# Altium PCB RX5808_TOP.PcbDoc
Units mm, origin at the board's own origin, x right, y up, seen from the top; angles counter-clockwise.
Board outline 34.01 x 28 mm, 2 copper layers (Top Layer, Bottom Layer); 58 components, 63 nets, 280 pads, 189 vias.
Unrouted connection lines stored in the file: 113.
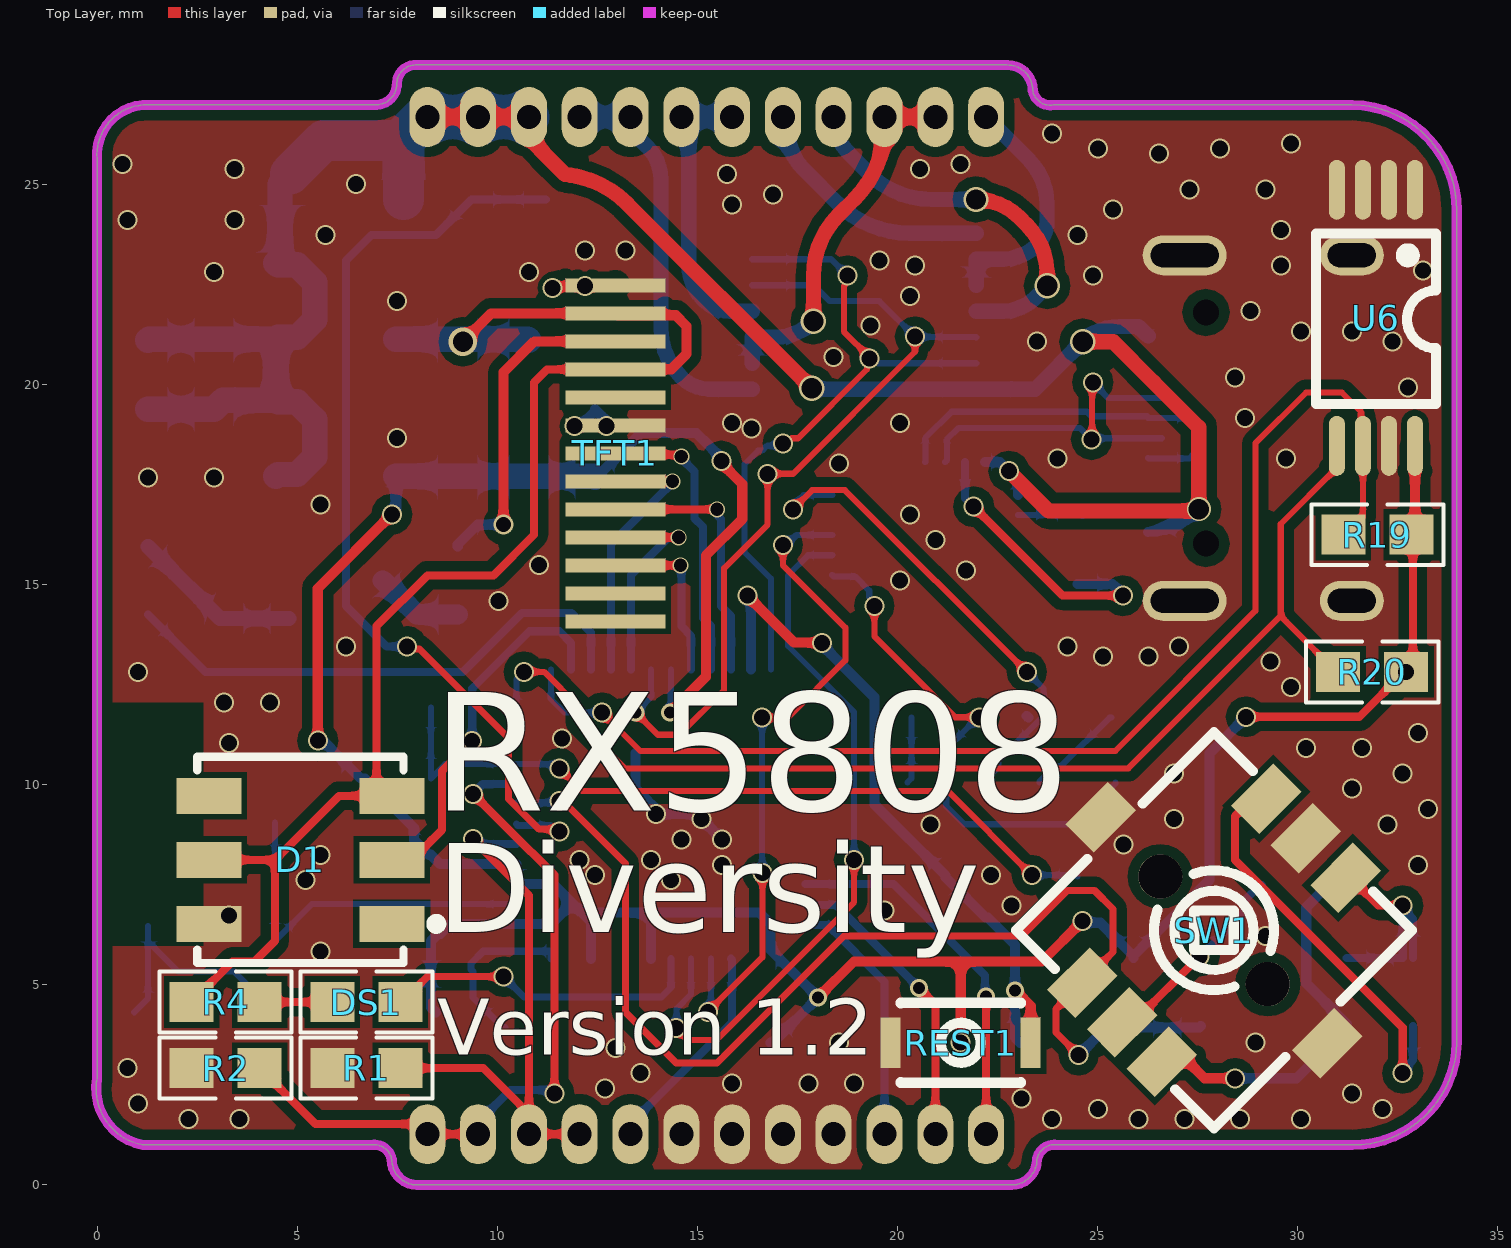
[diagram p0: Top Layer view]
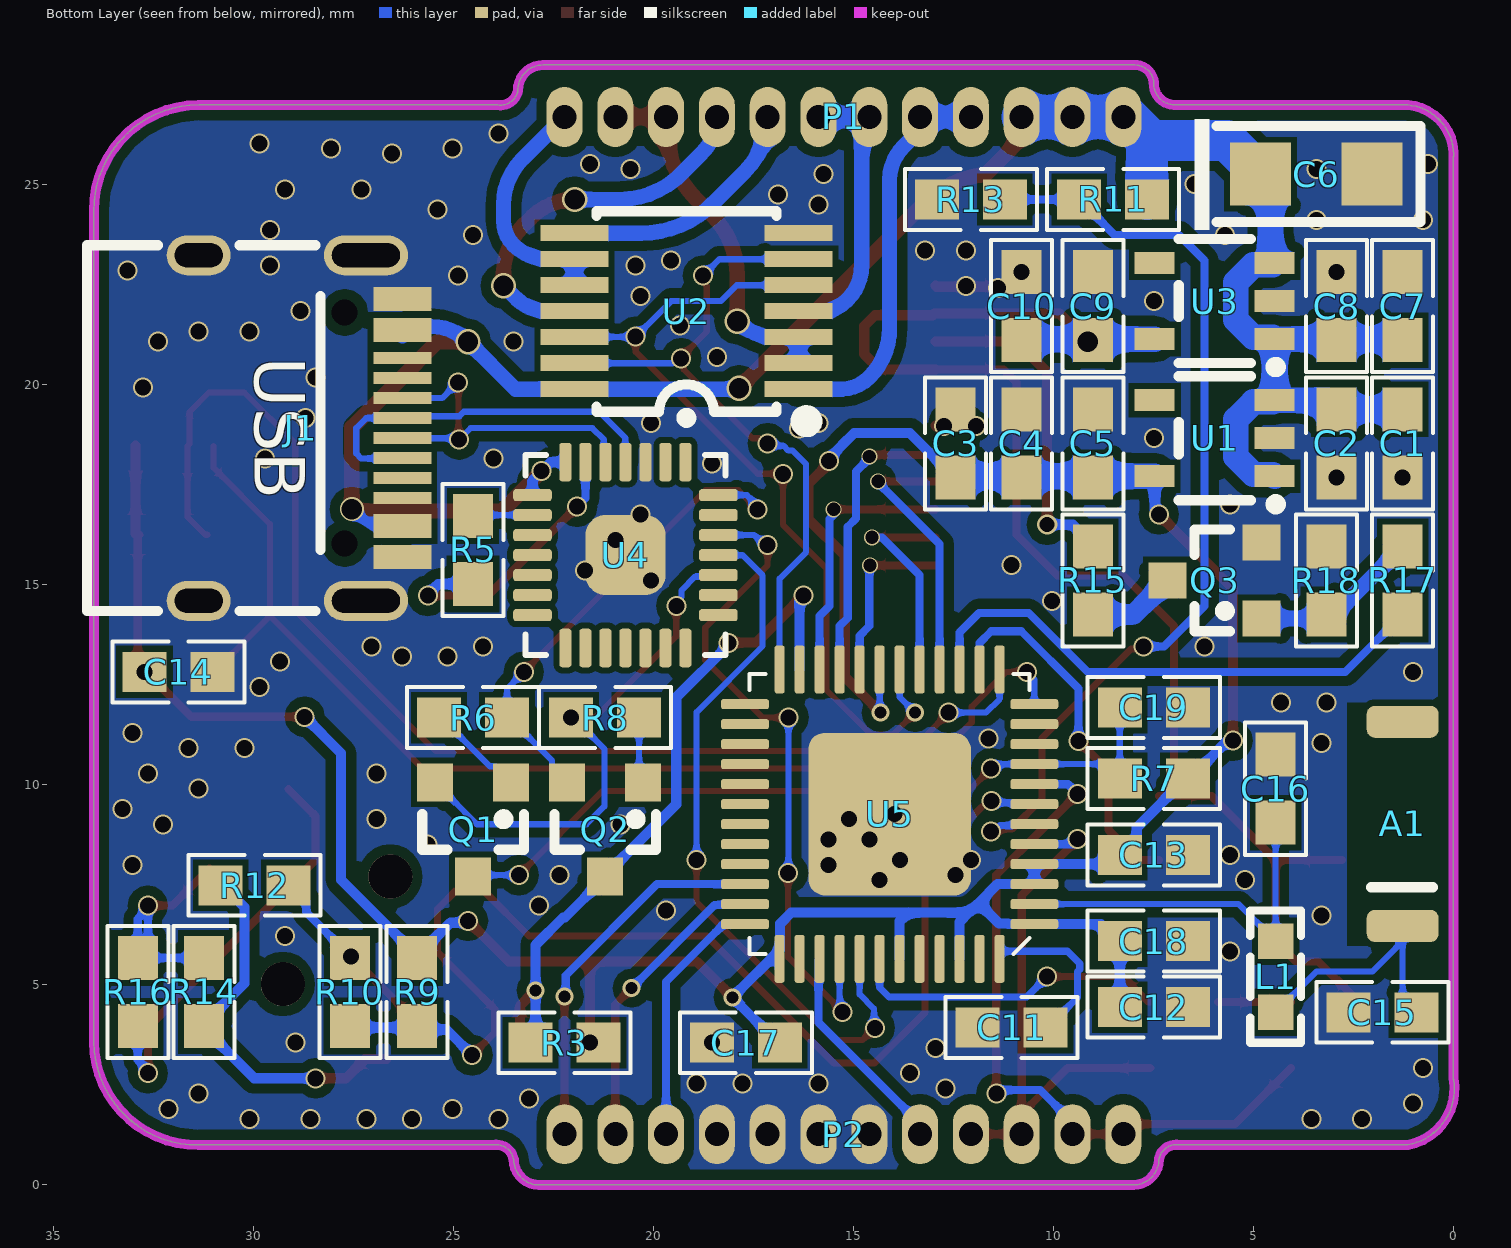
[diagram p1: Bottom Layer view, seen from below]

## Layer stack, top to bottom
Top Solder: solder mask 0.0102, Solder Resist, Dk 3.5
Top Layer: signal copper 0.0356
Dielectric 1: dielectric 0.32, FR-4, Dk 4.8
Bottom Layer: signal copper 0.0356
Bottom Solder: solder mask 0.0102, Solder Resist, Dk 3.5

## Board outline
1.143,1 cw(c1.405,2.405) 0,2.667 0,25.654 cw(c1.244,25.755) 1.143,27 6.985,27 ccw(c6.959,27.533) 7.493,27.559 cw(c7.967,27.525) 8.001,28 22.755,28 cw(c22.755,27.365) 23.39,27.365 ccw(c23.826,27.436) 23.898,27 31.369,27 cw(c31.361,24.37) 33.991,24.361 33.991,14.351 33.991,3.57 cw(c31.395,3.596) 31.369,1 24.003,1 ccw(c23.931,0.564) 23.495,0.635 cw(c22.86,0.635) 22.86,0 8.001,0 cw(c8.001,0.635) 7.366,0.635 ccw(c6.93,0.564) 6.858,1

## Design rules (kind name [scope] priority, off if disabled: settings)
Clearance [All] p1: gap=0.254 ignorepadtopadclearanceinfootprint=FALSE except(0: Arc-Hole Track-Hole SMDPad-Hole THPad-Hole Via-Hole Fill-Hole Poly-Hole Region-Hole Text-Hole; 0.152: Arc-SMDPad Track-SMDPad SMDPad-SMDPad SMDPad-Fill SMDPad-Poly SMDPad-Region)
ComponentClearance [All] p1: gap=0 collisioncheckmode=3 verticalgap=0 showdistances=FALSE
MinimumSolderMaskSliver [All] p1: minsoldermaskwidth=0.152
PolygonConnect [All] p1: connectstyle=Direct reliefconductorwidth=0.254 reliefentries=4 polygonreliefangle="90 Angle" airgapwidth=0.254
RoutingVias [All] p1: holewidth=0.711 width=1.27 viastyle="Through Hole" minholewidth=0.711 minwidth=1.27 maxholewidth=0.711 maxwidth=1.27
SilkToSolderMaskClearance [IsPad] p1: minsilkscreentomaskgap=0 clearancetoexposedcopper=TRUE
SolderMaskExpansion [All] p1: expansion=0.102
Width [All] p1: maxlimit=5.08 minlimit=0.152 preferedwidth=0.254
27 further rules are at their usual default settings.

## Components (designator, comment, footprint, x,y, rotation, side; value= is the part's Value field where it differs from the comment)
A1 "RAINSUN" ANT-Rainsun-AN5120 1.27,9.017 r90 bottom
C1 "Cap" 0603_CAP 1.27,18.542 r90 bottom value=100nF
C2 "Cap" 0603_CAP 2.921,18.542 r270 bottom value=100nF
C3 "Cap" 0603_CAP 12.446,18.542 r90 bottom value=100nF
C4 "Cap" 0603_CAP 10.795,18.542 r270 bottom value=100nF
C5 "Cap" 0603_CAP 9.017,18.542 r270 bottom value=100nF
C6 "Cap Pol" CAP-3216 3.429,25.273 r180 bottom value=100uF
C7 "Cap" 0603_CAP 1.27,21.971 r270 bottom value=100nF
C8 "Cap" 0603_CAP 2.921,21.971 r90 bottom value=100nF
C9 "Cap" 0603_CAP 9.017,21.971 r90 bottom value=100nF
C10 "Cap" 0603_CAP 10.795,21.971 r90 bottom value=100nF
C11 "Cap" 0603_CAP 11.049,3.937 r180 bottom value=10nF
C12 "Cap" 0603_CAP 7.493,4.445 r180 bottom value=100nF
C13 "Cap" 0603_CAP 7.493,8.255 r180 bottom value=100nF
C14 "Cap" 0603_CAP 31.877,12.827 r180 bottom value=100nF
C15 "Cap" 0603_CAP 1.778,4.318 r0 bottom value=1.2pf
C16 "Cap" 0603_CAP 4.445,9.906 r90 bottom value=1.5pf
C17 "Cap" 0603_CAP 17.692,3.556 r0 bottom value=100nF
C18 "Cap" 0603_CAP 7.493,6.096 r180 bottom value=100nF
C19 "Cap" 0603_CAP 7.493,11.938 r180 bottom value=100nF
D1 "LED" LED-SMD_6P-L5.0-W5.0-TL 5.079,8.128 r180 top
DS1 "LED" 0603_LED 6.731,4.572 r0 top
J1 "USB type C" "USB Type-C-16Pin_A" 31.369,18.923 r270 bottom locked
L1 "Inductor" "L 0603" 4.445,5.207 r90 bottom
P1 "Header 12" HDR1.27-1x12 22.225,26.7 r180 bottom
P2 "Header 12" HDR1.27-1x12 22.225,1.27 r180 bottom
Q1 "SS8050" SOT23A 24.511,9.017 r0 bottom
Q2 "SS8050" SOT23A 21.209,9.017 r0 bottom
Q3 "SS8050" SOT23A 5.842,15.113 r90 bottom
R1 "1M" 0603_RES 6.731,2.921 r180 top
R2 "1M" 0603_RES 3.214,2.921 r180 top
R3 "10K" 0603_RES 22.225,3.556 r180 bottom
R4 "1K" 0603_RES 3.214,4.572 r180 top
R5 "10K" 0603_RES 24.511,15.875 r270 bottom
R6 "12K" 0603_RES 24.511,11.684 r0 bottom
R7 "10K" 0603_RES 7.493,10.16 r180 bottom
R8 "12K" 0603_RES 21.209,11.684 r180 bottom
R9 "10K" 0603_RES 25.908,4.826 r270 bottom
R10 "10K" 0603_RES 27.591,4.826 r270 bottom
R11 "10K" 0603_RES 8.509,24.638 r180 bottom
R12 "10K" 0603_RES 29.972,7.493 r180 bottom
R13 "1K" 0603_RES 12.065,24.638 r180 bottom
R14 "10K" 0603_RES 31.242,4.826 r270 bottom
R15 "10" 0603_RES 9.017,15.113 r90 bottom
R16 "10K" 0603_RES 32.893,4.826 r90 bottom
R17 "1K" 0603_RES 1.27,15.113 r90 bottom
R18 "10K" 0603_RES 3.175,15.113 r90 bottom
R19 "10K" 0603_RES 32.004,16.256 r180 top
R20 "10K" 0603_RES 31.877,12.827 r180 top
REST1 "Jumper" SW-SMD_ST-1195 21.59,3.556 r180 top
SW1 "7*7*5-6P WX" SW-SMD_8P-L7.0-W7.0-P1.40-LS7.4-TL 27.922,6.367 r45 top
TFT1 "IPS0.96_80x160" IPS-0.96 12.573,18.291 r0 top locked
U1 "SPX5205" SOT-23-5_L3.0-W1.7-P0.95-LS2.8-TL 5.969,18.669 r0 bottom
U2 "SN74HC4066DBR" TSSOP-14_L5.0-W4.4-P0.65-LS6.4-BL 19.177,21.844 r90 bottom
U3 "SPX5205" SOT-23-5_L3.0-W1.7-P0.95-LS2.8-TL 5.969,22.098 r0 bottom
U4 "CP2102" QFN-28 20.701,15.748 r270 bottom value=Value
U5 "ESP32_SIP" QFN-48_7X7 14.097,9.271 r0 bottom locked
U6 "24C64" TSSOP-8_L4.4-W3.0-P0.65-LS6.4-BL-2 32.004,21.717 r270 top

## Footprints (in the part's own frame and the unit in brackets; to place one, negate y for a bottom-side part, rotate by r counter-clockwise, add the part's x,y. Pads: shape width x height; smd on the part's side, far side on the other; paste and mask are expansions set on the pad)
0603_CAP [mm]
  rect 1.1x1 smd: 1(-0.85,0) 2(0.85,0)
  silkscreen extent -1.65,-0.76 1.65,0.76, body extent -0.77,-0.4 0.83,0.41, height 0.88
0603_LED [mm]
  rect 1.1x1 smd: 1(-0.85,0) 2(0.85,0)
  silkscreen extent -1.65,-0.76 1.65,0.76, body extent -0.8,-0.4 0.8,0.4, height 0.6
0603_RES [mm]
  rect 1.1x1 smd: 1(-0.85,0) 2(0.85,0)
  silkscreen extent -1.65,-0.76 1.65,0.76, body extent -0.8,-0.4 0.8,0.4, height 0.45
ANT-Rainsun-AN5120 [mm] "选择焊盘"
  rrect50% 0.8x1.8 smd: 1(-2.54,0) ""(2.563,0)
  silkscreen extent -1.57,-0.76 -1.57,0.79, body extent -2.57,-0.91 2.54,0.94, height 1.32
CAP-3216 [mil] "钽电容"
  rect 60x61.81 smd: 1(-55,0) 2(55,0)
  silkscreen extent -120,-55 102,54, body extent -67,-35 67,35, height 71
HDR1.27-1x12 [mm]
  oval 0.9x1.5 hole 0.6: 1(0,0) 2(1.27,0) 3(2.54,0) 4(3.81,0) 5(5.08,0) 6(6.35,0) 7(7.62,0) 8(8.89,0) 9(10.16,0) 10(11.43,0) 11(12.7,0) 12(13.97,0)
  body extent -0.63,-1.2 14.61,1.2, height 5
IPS-0.96 [mm] "Connector; FH12 Series; 20 Position; 0.5mm Spaced Bottom Contact"
  rect 2.5x0.35 smd: 1(0.381,-4.2) 2(0.381,-3.5) 3(0.381,-2.8) 4(0.381,-2.1) 5(0.381,-1.4) 6(0.381,-0.7) 7(0.381,0) 8(0.381,0.7) 9(0.381,1.4) 10(0.381,2.1) 11(0.381,2.8) 12(0.381,3.5) 13(0.381,4.2)
  body extent -12.19,-6.73 15.88,6.73, height 1.6
"L 0603" [mil] "小功率贴片电感"
  rect 35x35 smd: 1(-35,0) 2(35,0)
  silkscreen extent -65,-25 65,25, body extent -31,-16 31,16, height 31
LED-SMD_6P-L5.0-W5.0-TL [mm]
  rect 1.625x0.896 smd: 1(-2.287,1.6) 2(-2.287,0) 3(-2.287,-1.6) 4(2.287,-1.6) 5(2.287,0) 6(2.287,1.6)
  silkscreen extent -3.53,-2.58 2.58,2.58, body extent -2.7,-2.47 2.7,2.48, height 1.6
QFN-28 [mil]
  rrect50% 38x12 smd mask+5: 1(-91.5,59.05) 2(-91.5,39.37) 3(-91.5,19.68) 4(-91.5,0) 5(-91.5,-19.69) 6(-91.5,-39.37) 7(-91.5,-59.06) 15(91.5,-59.06) 16(91.5,-39.37) 17(91.5,-19.69) 18(91.5,0) 19(91.5,19.68) 20(91.5,39.37) 21(91.5,59.05)
  rrect50% 12x38 smd mask+5: 8(-59.05,-91.5) 9(-39.37,-91.5) 10(-19.68,-91.5) 11(0,-91.5) 12(19.69,-91.5) 13(39.37,-91.5) 14(59.06,-91.5) 22(59.06,91.5) 23(39.37,91.5) 24(19.69,91.5) 25(0,91.5) 26(-19.68,91.5) 27(-39.37,91.5) 28(-59.05,91.5)
  rrect50% 78.74x78.74 smd: 29(0,0)
  silkscreen extent -140,-98 99,99, body extent -99,-99 98,98, height 35
QFN-48_7X7 [mm]
  rrect20% 4.064x4.064 smd: 0(0,0)
  rrect50% 1.2x0.25 smd: 1(-3.616,2.75) 2(-3.616,2.25) 3(-3.616,1.75) 4(-3.616,1.25) 5(-3.616,0.75) 6(-3.616,0.25) 7(-3.616,-0.25) 8(-3.616,-0.75) 9(-3.616,-1.25) 10(-3.616,-1.75) 11(-3.616,-2.25) 12(-3.616,-2.75) 25(3.617,-2.75) 26(3.617,-2.25) 27(3.617,-1.75) 28(3.617,-1.25) 29(3.617,-0.75) 30(3.617,-0.25) 31(3.617,0.25) 32(3.617,0.75) 33(3.617,1.25) 34(3.617,1.75) 35(3.617,2.25) 36(3.617,2.75)
  rrect50% 0.25x1.2 smd: 13(-2.75,-3.616) 14(-2.25,-3.616) 15(-1.75,-3.616) 16(-1.25,-3.616) 17(-0.75,-3.616) 18(-0.25,-3.616) 19(0.25,-3.616) 20(0.75,-3.616) 21(1.25,-3.616) 22(1.75,-3.616) 23(2.25,-3.616) 24(2.75,-3.616) 37(2.75,3.617) 38(2.25,3.617) 39(1.75,3.617) 40(1.25,3.617) 41(0.75,3.617) 42(0.25,3.617) 43(-0.25,3.617) 44(-0.75,3.617) 45(-1.25,3.617) 46(-1.75,3.617) 47(-2.25,3.617) 48(-2.75,3.617)
  silkscreen extent -3.5,-3.5 3.5,3.5, body extent -3.5,-3.5 3.5,3.5, height 1
SOT23A [mm]
  rect 0.9x0.95 smd: 1(-0.95,-1.048) 2(0.95,-1.048) 3(0,1.302)
  silkscreen extent -1.27,-0.25 1.27,0.64, body extent -1.46,-1.12 1.46,1.35, height 1
SOT-23-5_L3.0-W1.7-P0.95-LS2.8-TL [mm]
  rect 1x0.55 smd: 1(-1.5,0.95) 2(-1.5,0) 3(-1.5,-0.95) 4(1.5,-0.95) 5(1.5,0.95)
  silkscreen extent -1.65,-1.55 0.9,1.78, body extent -1.4,-1.5 1.4,1.5, height 1.15
SW-SMD_8P-L7.0-W7.0-P1.40-LS7.4-TL [mm]
  rect 1.5x1 smd: 1(-3.25,1.4) 2(-3.25,0) 3(-3.25,-1.4) 4(3.25,-1.4) 5(3.25,0) 6(3.25,1.4) 7(0,4) 8(0,-4)
  round 1.1 hole 1.1 unplated: ""(0,1.9) ""(0,-1.9)
  silkscreen extent -3.5,-3.5 3.5,3.5, body extent -3.75,-4.1 3.75,4.1, height 5.9
SW-SMD_ST-1195 [mm]
  rect 0.5x1.27 smd: 1(-1.75,0) 2(1.75,0)
  silkscreen extent -1.5,-1 1.5,1, body extent -1.75,-0.98 1.75,1.02, height 0.46
TSSOP-8_L4.4-W3.0-P0.65-LS6.4-BL-2 [mm]
  oval 1.5x0.4 smd: 1(-3.163,0.942) 2(-3.163,0.292) 3(-3.163,-0.358) 4(-3.163,-1.008) 5(3.238,-1.008) 6(3.238,-0.358) 7(3.238,0.292) 8(3.238,0.942)
  silkscreen extent -2.07,-1.53 2.2,1.47, body extent -3.2,-1.5 3.2,1.5, height 1.2
TSSOP-14_L5.0-W4.4-P0.65-LS6.4-BL [mm]
  rect 0.4x1.7 smd: 1(-1.95,-2.8) 2(-1.3,-2.8) 3(-0.65,-2.8) 4(0,-2.8) 5(0.65,-2.8) 6(1.3,-2.8) 7(1.95,-2.8) 8(1.95,2.8) 9(1.3,2.8) 10(0.65,2.8) 11(0,2.8) 12(-0.65,2.8) 13(-1.3,2.8) 14(-1.95,2.8)
  silkscreen extent -2.95,-3.2 2.5,2.25, body extent -2.5,-3.2 2.5,3.2, height 1.03
"USB Type-C-16Pin_A" [mm]
  round 0 hole 0.65: 0(-2.89,3.65) 0(2.89,3.65)
  oval 1x1.6 hole 0.6 slot 1.2 at 90 deg: 1(-4.32,0) 1(4.32,0)
  oval 1x2.1 hole 0.6 slot 1.7 at 90 deg: 1(-4.32,4.18) 1(4.32,4.18)
  rect 0.3x1.45 smd: A1(-3.375,5.092) A4(-2.6,5.092) A5(-1.25,5.092) A6(-0.25,5.092) A7(0.25,5.092) A8(-1.75,5.092) A9(2.6,5.1) A12(3.375,5.1) B1(3.075,5.1) B4(2.3,5.1) B5(1.75,5.092) B6(0.75,5.092) B7(-0.75,5.092) B8(1.25,5.092) B9(-2.3,5.092) B12(-3.075,5.092)
  silkscreen extent -4.57,-2.79 4.57,3.05, body extent -4.47,-2.6 4.47,5.3, height 3.25

## Part data
A1: library part ANT-Rainsun-AP5120
C1 C2 C3 C4 C5 C7 C8 C9 C10 C11 C12 C13 C14 C15 C16 C17 C18 C19: "无极性电容", LatestRevisionDate=17-Jul-2002, LatestRevisionNote="Re-released for DXP Platform.", PackageReference=RAD-0.3, Published=8-Jun-2000, Publisher="Altium Limited"
C6: "极性电解电容", LatestRevisionDate=17-Jul-2002, LatestRevisionNote="Re-released for DXP Platform.", PackageReference=RB7.6-15, Published=8-Jun-2000, Publisher="Altium Limited", Vol=16V
D1: library part WS2812
J1: library part Type-C, "TYPEC接口-16PIN"
L1: library part Inductance, "电感"
P1 P2: "Header, 12-Pin", LatestRevisionDate=17-Jul-2002, LatestRevisionNote="Re-released for DXP Platform.", Publisher="Altium Limited"
Q1 Q2 Q3: "NPN三极管"
R1 R2 R3 R4 R5 R6 R7 R8 R9 R10 R11 R12 R13 R14 R15 R16 R17 R18 R19 R20: library part RES, "电阻"
REST1: "按键", LatestRevisionDate=17-Jul-2002, LatestRevisionNote="Re-released for DXP Platform.", PackageReference=RAD-0.2, Published=24-Mar-1999, Publisher="Altium Limited"
SW1: "五向按键", BOM_JLCPCB Part Class="Extended Part", BOM_Manufacturer="SHOU HAN(首韩)", BOM_Manufacturer Part="7*7*5-6P WX", BOM_Supplier=LCSC, BOM_Supplier Part=C2858286, Contributor=LCSC, spicePre=S, spiceSymbolName="7*7*5-6P WX"
TFT1: "IPS-135x240", BOM名称=1.44寸TFT屏, 学习资源=www.ooocke.com, 版权归属=源创客
U1 U3: "LDO稳压"
U2: BOM_JLCPCB Part Class="Extended Part", BOM_Manufacturer=TI, BOM_Manufacturer Part=SN74HC4066DBR, BOM_Supplier=LCSC, BOM_Supplier Part=C6849, spicePre=X, spiceSymbolName=SN74HC4066DBR
U4: "USBתTTL", MFG #1="SILICON LABS", PART DESC="SINGLE-CHIP USB TO UART BRIDGE, QFN28, RoHS.", PART NUMBER=CP2102, RefDes=RefDes, Type=DEV
U5: library part ESP32-PICO
U6: library part 24C02, "E2PROM"

## Via types
v1: diameter 0.5, hole 0.4, Top Layer to Bottom Layer, tented both sides, 170 vias
v2: diameter 0.45, hole 0.3, Top Layer to Bottom Layer, tented both sides, 6 vias
v3: diameter 0.635, hole 0.508, Top Layer to Bottom Layer, tented both sides, 5 vias
v4: diameter 0.4, hole 0.33, Top Layer to Bottom Layer, tented both sides, 5 vias
v5: diameter 0.6, hole 0.508, Top Layer to Bottom Layer, tented both sides, 1 vias
v6: diameter 0.508, hole 0.381, Top Layer to Bottom Layer, tented both sides, 1 vias
v7: diameter 0.711, hole 0.506, Top Layer to Bottom Layer, tented both sides, 1 vias

## Nets (pads, with @x,y where several pads share a name; then routed paths per layer and width w, separated by ;. In a path a pad name is that pad's centre, name@x,y a point inside that pad or via, vN(x,y) a via of type N, cw(c..) or ccw(c..) an arc to the next point about the centre after c; other vN are vias at no path point)
3V3_LCD: C9.1 C10.1 D1.3 D1.5 R4.2 TFT1.10 TFT1.12 U3.5 | length 37.2
  Top Layer w0.203: R4.2 3.38,5.588 3.937,5.588 4.445,6.096 4.445,8.128 ; D1.5 4.445,8.128 ; TFT1.10 11.247,20.391 10.922,20.066 10.922,16.256 9.906,15.24 8.255,15.24 6.985,13.97 6.985,10.074 7.331,9.728 D1.3 6.045,9.728 4.445,8.128
  Top Layer w0.254: v7(9.144,21.082) 9.853,21.791 TFT1.12 ; TFT1.10 14.351,20.391 14.732,20.772 14.732,21.475 14.464,21.743 13.02,21.743 TFT1.12@12.972,21.791
  Bottom Layer w0.635: U3.5 10.768,21.148 C10.1
3V3_MCU: C3.1 C4.2 C5.2 C12.1 C13.1 C14.1 C17.1 C18.1 R3.2 R7.2 R9.1 R19.1 R20.1 U1.5 U5.1 U5.3 U5.4 U5.19 U5.37 U5.43 U5.46 U6.8 | length 78.9
  Top Layer w0.203: v1(28.722,11.704) 31.554,11.704 32.677,12.827 v1(32.727,12.827) 32.893,12.993 32.893,16.217 R19.1
  Top Layer w0.254: v1(5.516,11.109) 5.516,14.914 v1(7.366,16.764) ; v2(14.323,11.811) 15.219,12.707 15.219,15.736 16.129,16.647 16.129,17.526 15.609,18.046 v1(15.609,18.099) ; v2@18.025,4.687 v2(18.023,4.689) 18.922,5.588 21.59,5.588 ; v1(21.59,3.556) 21.59,5.588 ; v1(24.638,6.604) 23.622,5.588 21.59,5.588 ; R19.1@32.946,16.27 U6.8
  Bottom Layer w0.152: v2(14.323,11.811) 14.347,11.835 U5.19
  Bottom Layer w0.254: v1(5.516,11.109) 5.563,11.062 5.691,11.062 6.593,10.16 R7.2 6.693,10.16 7.92,8.933 7.92,8.628 8.293,8.255 C13.1 8.577,8.021 U5.4 U5.3 11.402,7.521 11.874,7.048 ; v1@7.469,16.934 U1.5 ; C12.1@8.47,4.318 C12.1 C18.1 8.53,6.283 8.58,6.283 8.818,6.521 U5.1 ; U5.1 11.132,6.523 11.143,6.534 11.36,6.534 11.874,7.048 ; U5.46 12.347,6.576 12.111,6.812 ; C3.1 12.485,17.692 13.589,18.796 14.986,18.796 15.29,18.492 15.29,18.485 15.609,18.166 v1(15.609,18.099) ; U5.43 13.847,6.6 13.635,6.812 ; C17.1 16.892,3.556 v2(18.023,4.689) v2(18.023,4.689) 16.834,5.878 16.834,6.534 16.556,6.812 13.635,6.812 ; v1(24.638,6.604) 24.685,6.557 25.077,6.557 R9.1@25.908,5.726 ; R9.1 R9.1@25.908,5.726 ; v1(28.722,11.704) 27.813,10.795 27.813,7.629 26.283,6.099 26.281,6.099 R9.1@25.908,5.726 ; 11.874,7.048 12.111,6.812 ; 12.111,6.812 13.635,6.812
  Bottom Layer w0.635: U1.5 12.419,17.719 C3.1
5V: C1.2 C2.1 C6.1 C7.2 C8.1 J1.A4 J1.A9 J1.B4 J1.B9 P1.10 P1.11 P1.12 R11.2 U1.1 U1.3 U2.14 U3.1 U3.3 U4.7 U4.8 | length 61.1
  Top Layer w0.381: P1.12 P1.11 P1.10 ccw(c12.094,26.7) 11.175,25.782 11.695,25.262 cw(c11.457,22.733) 11.975,25.22 cw(c11.457,22.733) 12.063,25.2 cw(c11.457,22.733) 13.253,24.529 v3(17.862,19.921) ; v1(22.797,17.843) 23.788,16.852 v5@27.44,16.852 ; v3(24.638,21.082) 25.4,21.082 26.416,20.066 27.541,18.941 v5(27.541,16.894)
  Bottom Layer w0.254: U4.7 22.568,18.072 23.025,17.615 U4.8 ; J1.A9 ccw(c26.269,18.015) 27.466,16.819 v5(27.541,16.894)
  Bottom Layer w0.381: v3(17.862,19.921) 17.889,19.894 U2.14 23.45,19.894 v3(24.638,21.082) cw(c25.558,20.162) 25.558,21.463 26.037,21.463 J1.B9
  Bottom Layer w0.635: C1.2 C2.1 3.148,19.619 U1.3 ; C7.2 1.297,21.148 U3.1 ; U1.1 4.512,17.761 5.001,17.761 5.439,18.199 5.439,19.139 5.001,19.576 4.512,19.576 U1.3 ; U3.3 4.512,23.005 5.001,23.005 5.439,22.568 5.439,21.628 5.001,21.19 4.512,21.19 U3.1 ; U3.3@4.572,23.09 4.572,25.019 C6.1 ; U1.3 U3.1
  Bottom Layer w1.016: C6.1 5.664,26.111 7.55,26.111 8.139,26.7 P1.12 ; R11.2 7.659,26.104 P1.12 ; P1.10 P1.11 P1.12
ADC_BAT: R11.1 R13.2 U5.6 | length 24
  Top Layer w0.178: v1(7.747,13.462) 7.808,13.401 8.062,13.401 8.125,13.338 10.287,11.176 10.287,9.652 11.044,8.895 11.509,8.895 v1(11.561,8.843)
  Bottom Layer w0.178: U5.6 10.517,8.985 11.332,8.985 11.474,8.843 v1(11.561,8.843)
  Bottom Layer w0.203: v1(7.747,13.462) 7.239,13.462 6.223,14.478 6.223,23.114 6.858,23.749 8.47,23.749 R11.1 R13.2
ADC_KEY: R9.2 R10.2 SW1.1 U5.7 | length 29.7
  Top Layer w0.178: v1@11.492,9.658 v1(11.554,9.597) 11.641,9.597 11.802,9.436 11.807,9.436 13.208,8.034 13.208,4.318 14.478,3.048 15.494,3.048 18.669,6.223 23.114,6.223 24.257,7.366 24.929,7.366 25.4,6.895 25.4,5.825 SW1.1 23.968,4.393 23.968,3.815 v1(24.537,3.246)
  Bottom Layer w0.178: U5.7 10.517,9.557 11.514,9.557 v1(11.554,9.597)
  Bottom Layer w0.254: v1(24.537,3.246) 25.176,3.886 25.857,3.886 25.908,3.937 27.552,3.937 R10.2
ADC_RSSI0: P2.9 P2.10 R1.1 U5.5 | length 14.1
  Top Layer w0.203: R1.1 9.652,2.921 10.568,2.005 10.568,1.985 10.776,1.778 P2.10@10.795,1.778 ; v1(9.398,8.652) 9.398,8.636 10.795,7.239 P2.10@10.795,1.778 ; P2.9 P2.10 P2.10@10.795,1.778
  Bottom Layer w0.203: v1(9.398,8.652) 9.478,8.652 9.609,8.521 U5.5
ADC_RSSI1: P2.11 P2.12 R2.1 U5.8 | length 18.2
  Top Layer w0.203: R2.1 5.461,1.524 8.001,1.524 P2.12 P2.11 ; v1(9.398,9.779) 10.287,8.89 11.43,7.747 v1(11.43,2.286)
  Bottom Layer w0.203: v1(9.398,9.779) 9.64,10.021 U5.8 ; P2.11 9.525,1.57 10.331,2.376 11.26,2.376 11.35,2.286 v1(11.43,2.286)
AUDIO: P1.1 U2.9 U2.10 | length 6.1
  Bottom Layer w0.381: U2.10 U2.9 22.647,23.144 ccw(c22.647,24.343) 23.495,23.495 ccw(c22.882,24.108) 23.749,24.108 23.749,24.511 ccw(c22.144,24.511) 23.279,25.646 22.766,26.159 P1.1
AUDIO0: P1.5 U2.8 | length 6.3
  Bottom Layer w0.381: P1.5 ccw(c19.057,26.7) 17.24,26.104 ccw(c19.057,26.7) 17.705,25.348 18.515,24.538 ccw(c20.311,26.334) 20.311,23.794 U2.8
AUDIO1: P1.4 U2.11 | length 9.7
  Top Layer w0.381: v3(21.971,24.638) cw(c21.971,23.105) 23.055,24.189 23.241,24.003 cw(c22.015,22.777) 23.747,22.862 cw(c22.015,22.777) 23.749,22.777 v3(23.749,22.479)
  Bottom Layer w0.381: P1.4 ccw(c19.683,26.7) 18.556,26.118 ccw(c19.683,26.7) 18.637,25.983 ccw(c19.683,26.7) 18.786,25.804 19.437,25.153 ccw(c20.859,26.86) 20.859,24.638 v3(21.971,24.638) ; U2.11 22.665,21.844 ccw(c22.665,22.928) 23.431,22.161 v3(23.749,22.479)
BEEP: P2.8 U5.39 | length 5.4
  Bottom Layer w0.203: P2.8 13.335,1.524 15.875,4.064 15.875,5.082 15.87,5.086 15.87,5.631 U5.39
CP_RX: U4.25 U5.41 | length 18.1
  Top Layer w0.152: v1(14.466,3.93) 14.777,3.619 15.473,3.619 18.923,7.07 v1(18.923,8.128)
  Bottom Layer w0.152: v1(14.466,3.93) 14.488,3.952 14.488,4.409 14.847,4.768 U5.41 ; U4.25 18.371,15.742 17.774,15.742 17.272,15.24 17.272,13.474 18.923,11.823 v1(18.923,8.128)
CP_TX: U4.26 U5.40 | length 16.8
  Top Layer w0.152: v1(15.269,4.33) 16.633,5.694 v1(16.633,7.797) ; v1(16.619,11.687) 16.622,11.684 17.272,11.684 18.707,13.119 18.707,13.932 17.145,15.494 v1(17.145,16.002)
  Bottom Layer w0.152: v1(15.269,4.33) 15.269,4.425 15.347,4.502 U5.40 ; v1(16.619,11.687) 16.626,11.68 16.626,7.804 v1(16.633,7.797) ; v1(17.145,16.002) 17.239,16.002 17.485,16.248 U4.26
D+: J1.A6 J1.B6 U4.4 | length 9.6
  Bottom Layer w0.152: U4.4 20.707,18.078 20.707,18.675 21.361,19.329 24.743,19.329 24.855,19.217 J1.A6@26.251,19.217 ; J1.B6 26.289,18.161 27.305,18.161 27.432,18.288 27.432,18.923 27.182,19.173 J1.A6
D-: J1.A7 J1.B7 U4.5 | length 9.5
  Top Layer w0.152: v1(24.86,18.637) 24.876,18.653 24.876,20.05 v1(24.892,20.066)
  Bottom Layer w0.152: U4.5 21.244,18.115 21.244,18.638 21.53,18.923 24.574,18.923 v1(24.86,18.637) 24.892,18.669 J1.A7@26.615,18.669 ; v1(24.892,20.066) 25.284,19.673 J1.B7@26.619,19.673
DTR: Q2.2 R6.1 U4.28 | length 12.8
  Top Layer w0.152: v1(17.394,16.892) 17.876,17.374 18.694,17.374 v1(23.241,12.827)
  Bottom Layer w0.152: v1(17.394,16.892) 17.394,16.977 17.666,17.248 U4.28 ; Q2.2 22.533,10.439 22.533,10.606 23.611,11.684 R6.1 23.661,12.407 v1(23.241,12.827) ; R6.1@23.27,11.684 R6.1@23.28,11.684
  Bottom Layer w0.254: R6.1@23.241,11.723 R6.1@23.28,11.684
EN: C19.1 Q1.3 R7.1 U5.9 | length 19.3
  Top Layer w0.152: v1(11.557,10.414) 12.12,9.851 21.264,9.851 v1(23.368,7.747)
  Bottom Layer w0.152: C19.1 R7.1 8.704,10.521 U5.9 11.45,10.521 v1(11.557,10.414) ; v1(23.368,7.747) 24.479,7.747 Q1.3
FLASH_CLK: U5.31
FLASH_CS: U5.25
FLASH_SD0: U5.27
FLASH_SD1: U5.33
FLASH_SD2: U5.30
FLASH_SD3: U5.32
GND: C1.1 C2.2 C3.2 C4.1 C5.1 C6.2 C7.1 C8.2 C9.2 C10.2 C11.1 C12.2 C13.2 C14.2 C15.2 C16.2 C17.2 C18.2 C19.2 D1.6 J1.1 J1.A1 J1.A12 J1.B1 J1.B12 P2.4 P2.5 P2.6 P2.7 Q3.2 R1.2 R2.2 R13.1 R18.2 REST1.2 SW1.5 SW1.7 SW1.8 TFT1.8 TFT1.13 U1.2 U2.7 U3.2 U4.3 U4.29 U5.0 U6.1 U6.2 U6.3 U6.4 U6.7 | length 7.6
  Top Layer w0.254: v1(11.387,22.422) 11.422,22.456 12.919,22.456 TFT1.13 ; v1(11.938,18.97) 12.933,18.97 TFT1.8
  Bottom Layer w0.254: v1(11.938,18.97) 12.073,18.97 12.446,19.343 C3.2 12.738,19.1 v1(12.738,18.97) ; U5.0@13.462,10.795 13.462,9.906 U5.0 ; v1(13.97,9.271) U5.0 ; v1(15.621,8.636) 14.986,9.271 U5.0 ; v1(18.542,3.556) C17.2@18.605,3.556
  other v1: 2.286,1.651 3.556,1.651 23.876,1.651 26.035,1.651 27.178,1.651 28.575,1.651 30.099,1.651 25.019,1.905 32.131,1.905 1.016,2.032 23.114,2.159 31.369,2.286 12.7,2.413 15.875,2.54 17.78,2.54 18.923,2.54 13.589,2.794 0.762,2.921 12.954,3.429 28.956,3.556 5.588,5.842 29.21,6.223 3.302,6.731 19.685,6.858 22.86,6.985 5.207,7.62 14.351,7.62 12.446,7.747 22.352,7.747 15.621,8.001 33.02,8.001 12.065,8.128 13.843,8.128 5.588,8.255 25.654,8.509 14.605,8.636 20.828,9.017 32.258,9.017 15.113,9.144 26.924,9.144 33.274,9.398 31.369,9.906 26.924,10.287 32.639,10.287 30.226,10.922 31.623,10.922 3.302,11.049 11.624,11.165 33.02,11.303 3.175,12.065 4.318,12.065 29.845,12.446 1.016,12.827 29.337,13.081 25.146,13.208 26.289,13.208 6.223,13.462 24.257,13.462 27.051,13.462 10.033,14.605 20.066,15.113 21.717,15.367 11.049,15.494 20.955,16.129 20.32,16.764 5.588,17.018 1.27,17.692 2.921,17.692 18.542,18.034 24.003,18.161 29.718,18.161 7.493,18.669 16.364,18.918 15.875,19.05 20.068,19.048 28.702,19.177 32.766,19.939 28.448,20.193 18.415,20.701 23.495,21.082 32.385,21.082 30.099,21.336 31.369,21.336 19.333,21.492 28.829,21.844 7.493,22.098 20.32,22.225 12.192,22.479 24.892,22.733 2.921,22.821 10.795,22.821 33.147,22.86 20.447,22.987 29.591,22.987 19.558,23.114 12.192,23.368 13.208,23.368 5.715,23.749 24.511,23.749 29.591,23.876 0.762,24.13 3.429,24.13 25.4,24.384 15.875,24.511 16.891,24.765 27.305,24.892 29.21,24.892 6.477,25.019 15.748,25.273 3.429,25.4 20.574,25.4 0.635,25.527 21.59,25.527 26.543,25.781 25.019,25.908 28.067,25.908 29.845,26.035 23.876,26.289
GPIO0: Q2.3 R3.1 REST1.1 U5.23 | length 17.8
  Top Layer w0.254: v1(16.256,14.732) 17.429,13.559 18.123,13.559 v1(18.127,13.555) ; v2(22.947,4.866) 23.34,4.473 REST1.1
  Bottom Layer w0.254: v1(16.256,14.732) 16.256,14.665 16.347,14.574 U5.23 ; v1(18.127,13.555) 18.127,13.496 19.431,12.192 19.431,9.518 21.209,7.74 21.209,7.69 22.214,6.685 22.264,6.685 22.947,6.002 v2(22.947,4.866) 22.947,3.684 R3.1
GPIO2: TFT1.5 U5.22 | length 6.7
  Top Layer w0.203: TFT1.5 12.955,16.892 12.956,16.891 v4(15.494,16.891)
  Bottom Layer w0.203: v4(15.494,16.891) 15.494,16.752 15.6,16.646 15.6,14.471 15.847,14.224 U5.22
GPIO9: U5.28
GPIO10: U5.29
GPIO13: TFT1.3 U5.20 | length 4.3
  Top Layer w0.203: TFT1.3 v4(14.587,15.491)
  Bottom Layer w0.203: v4(14.587,15.491) 14.605,15.473 14.605,13.97 14.847,13.728 U5.20
GPIO14: TFT1.4 U5.17 | length 5.5
  Top Layer w0.203: TFT1.4 v4(14.54,16.191)
  Bottom Layer w0.203: U5.17 13.347,15.252 14.286,16.191 v4(14.54,16.191)
GPIO15: TFT1.7 U5.21 | length 7.3
  Top Layer w0.203: TFT1.7 12.992,18.253 14.567,18.253 v4(14.605,18.215)
  Bottom Layer w0.203: v4(14.605,18.215) 14.605,18.168 14.938,17.835 14.938,16.661 15.143,16.457 15.143,14.174 15.347,13.97 U5.21
GPIO26: R17.1 U5.15 | length 13.4
  Bottom Layer w0.203: R17.1 2.706,12.827 9.144,12.827 10.617,14.3 11.862,14.3 12.347,13.815 U5.15
GPIO27: TFT1.6 U5.16 | length 6.8
  Top Layer w0.203: TFT1.6 v4(14.383,17.591)
  Bottom Layer w0.203: U5.16 12.847,16.025 14.383,17.561 v4(14.383,17.591)
GPIO32: R20.2 U5.12 U6.5 | length 29.5
  Top Layer w0.152: v1(10.668,12.827) 11.176,12.827 12.043,11.96 12.043,11.567 12.383,11.227 13.195,10.414 25.781,10.414 29.58,14.213 29.591,14.213 ; U6.5 30.996,17.929 29.591,16.524 29.591,14.213 ; R20.2 30.977,12.827 29.591,14.213
  Bottom Layer w0.152: U5.12 10.48,12.639 v1(10.668,12.827)
GPIO33: R19.2 U5.13 U6.6 | length 31.2
  Top Layer w0.152: v1(12.623,11.807) 13.581,10.849 25.454,10.849 28.956,14.351 28.956,18.542 30.226,19.812 31.115,19.812 31.598,19.329 31.598,18.526 U6.6 31.646,16.698 31.204,16.256 R19.2
  Bottom Layer w0.152: U5.13 11.347,12.148 11.688,11.807 v1(12.623,11.807)
GPIO34: U5.10
GPIO35: U5.11
K1: R10.1 R12.2 SW1.2 | length 5.1
  Top Layer w0.203: SW1.2 25.913,4.069 v1(27.559,5.715)
  Bottom Layer w0.203: R10.1 27.591,5.683 v1(27.559,5.715) 27.58,5.715 28.674,6.809 28.674,7.095 29.072,7.493 R12.2
K2: R12.1 R14.2 SW1.3 | length 9.5
  Top Layer w0.254: SW1.3@26.68,3.146 27.207,3.146 27.686,2.667 v1(28.448,2.667)
  Bottom Layer w0.254: v1(28.448,2.667) 29.983,2.667 31.242,3.926 31.242,4.026 30.226,5.042 30.226,6.947 30.772,7.493 R12.1
K3: R14.1 R16.2 SW1.4 | length 6
  Top Layer w0.203: SW1.4@31.101,7.912 32.028,6.985 v1(32.639,6.985)
  Bottom Layer w0.203: R14.1 32.639,5.676 v1@32.639,6.905 ; v1(32.639,6.985) v1@32.639,6.905 ; R16.2 32.893,6.651 v1@32.639,6.905
K4: R16.1 SW1.6 | length 10.4
  Top Layer w0.203: SW1.6@29.121,9.892 28.448,9.219 28.448,8.128 32.639,3.937 v1(32.639,2.794)
  Bottom Layer w0.203: v1(32.639,2.794) 32.639,2.867 32.893,3.121 R16.1
LED0: DS1.2 U5.42 | length 8.1
  Top Layer w0.178: DS1.2 7.631,4.572 8.042,4.983 8.042,4.996 8.253,5.207 v1(10.16,5.207)
  Bottom Layer w0.178: v1(10.16,5.207) 10.668,4.699 14.112,4.699 14.347,4.934 U5.42
LED_STRIP: D1.2 U5.14 | length 9.3
  Top Layer w0.203: D1.2 7.875,8.128 8.626,8.879 8.626,10.35 v1(9.377,11.101)
  Bottom Layer w0.203: v1(9.377,11.101) 9.377,12.413 10.807,13.843 11.557,13.843 11.847,13.553 U5.14
NetA1_1: A1.1 C15.1 L1.1 | length 6.2
  Bottom Layer w0.152: C15.1 1.27,4.66 A1.1@1.27,6.096 ; A1.1 A1.1@1.27,6.096 ; L1.1 3.429,5.334 2.032,5.334 A1.1@1.27,6.096
NetC11_2: C11.2 U5.48 | length 4.3
  Bottom Layer w0.178: C11.2 10.149,3.937 9.398,4.688 9.398,5.334 9.345,5.387 9.345,5.535 9.652,5.842 11.311,5.842 11.347,5.806 U5.48
NetC16_1: C16.1 L1.2 U5.2 | length 9.4
  Bottom Layer w0.152: C16.1 L1.2 5.37,7.021 U5.2
NetDS1_1: DS1.1 R4.1 | length 1.8
  Top Layer w0.203: R4.1 DS1.1
NetQ1_1: Q1.1 R6.2 | length 2.5
  Bottom Layer w0.152: Q1.1 23.561,10.09 23.935,10.464 24.091,10.464 25.311,11.684 R6.2
NetQ2_1: Q2.1 R8.2 | length 1.7
  Bottom Layer w0.152: Q2.1 20.359,10.165 R8.2
NetQ3_1: Q3.1 R17.2 R18.1 | length 4.3
  Bottom Layer w0.381: R17.2 3.07,14.163 Q3.1
NetQ3_3: Q3.3 R15.1 | length 2.2
  Bottom Layer w0.508: Q3.3 7.994,14.263 R15.1
NetR5_1: R5.1 U4.9 | length 1.6
  Bottom Layer w0.152: U4.9 24.615,16.748 R5.1@24.638,16.725
NetR15_2: R15.2 TFT1.11 | length 8.3
  Top Layer w0.254: v6(10.16,16.51) 10.16,20.32 10.931,21.091 TFT1.11
  Bottom Layer w0.254: R15.2 9.017,16.013 9.514,16.51 v6(10.16,16.51)
RTS: Q1.2 R8.1 U4.24 | length 13.2
  Top Layer w0.152: v1(19.431,14.478) 19.431,13.716 21.453,11.694 22.049,11.694 v1(22.059,11.684)
  Bottom Layer w0.152: U4.24 18.412,15.213 18.95,15.213 19.304,14.859 19.304,14.699 19.431,14.572 v1(19.431,14.478) ; v1(22.059,11.684) 22.009,11.684 21.228,10.903 21.228,9.468 21.679,9.017 24.413,9.017 25.062,9.666 25.087,9.666 25.461,10.04 Q1.2
SPI2_CS: P2.1 U5.34 | length 9.4
  Top Layer w0.203: P2.1 v2(22.225,4.708)
  Bottom Layer w0.203: U5.34 19.911,7.521 22.194,5.238 22.194,4.74 v2(22.225,4.708)
SPI2_MOSI: P2.3 U5.36 | length 6.4
  Bottom Layer w0.203: U5.36 17.737,6.498 18.267,6.498 19.685,5.08 P2.3
SPI2_SCK: P2.2 U5.35 | length 7.5
  Top Layer w0.203: v2(20.544,4.923) 20.955,4.513 P2.2
  Bottom Layer w0.203: U5.35 17.737,6.998 18.47,6.998 v2(20.544,4.923)
VCC_3V3: R5.2 U4.6 | length 7.1
  Top Layer w0.203: v1(21.911,16.958) 24.135,14.733 v1(25.643,14.733)
  Bottom Layer w0.203: U4.6 21.701,17.168 v1(21.911,16.958)
  Bottom Layer w0.254: R5.2 25.381,15.025 25.643,14.763 v1(25.643,14.733)
VIDEO: P1.2 P1.3 U2.2 U2.3 | length 9.2
  Top Layer w0.381: v3(17.907,21.59) 17.907,22.724 cw(c20.075,22.724) 18.541,24.256 cw(c20.075,22.724) 18.542,24.257 18.941,24.656 ccw(c17.145,26.452) 19.685,26.452 P1.3 P1.2
  Bottom Layer w0.381: U2.2 U2.3 16.951,21.194 ccw(c16.951,22.546) v3(17.907,21.59)
VIDEO0: P1.8 P1.9 U2.1 | length 10
  Bottom Layer w0.381: P1.8 ccw(c14.115,26.7) 13.563,26.149 13.75,25.962 cw(c12.911,25.124) 13.989,25.617 cw(c12.911,25.124) 14.097,25.124 14.097,21.419 ccw(c15.831,21.419) 14.139,21.04 ccw(c15.831,21.419) 14.605,20.193 ccw(c15.327,20.915) 15.284,19.895 ccw(c15.327,20.915) 15.327,19.894 U2.1
  Bottom Layer w0.508: P1.9 P1.8
VIDEO1: P1.6 P1.7 U2.4 | length 7.3
  Bottom Layer w0.381: P1.7 cw(c14.151,26.246) 14.793,26.246 14.793,23.002 ccw(c16.031,23.002) 15.156,22.126 ccw(c15.837,22.807) 15.837,21.844 U2.4
  Bottom Layer w0.508: P1.7 P1.6
VIDEO_SWITCH0: U2.6 U2.13 U5.24 | length 17.4
  Top Layer w0.152: v1(17.145,18.542) 17.239,18.542 17.366,18.669 17.526,18.669 19.244,20.387 19.244,20.601 v1(19.311,20.668) 19.311,20.694 18.669,21.336 18.669,22.47 18.696,22.497 18.696,22.666 v1(18.763,22.733)
  Bottom Layer w0.152: U2.6 18.352,23.144 v1(18.763,22.733) ; U5.24 16.847,15.157 16.184,15.82 16.184,18.02 16.524,18.36 16.627,18.36 16.742,18.475 17.078,18.475 v1(17.145,18.542) ; v1(19.311,20.668) 19.405,20.668 19.529,20.544 U2.13
VIDEO_SWITCH1: U2.5 U2.12 U5.18 | length 21.5
  Top Layer w0.152: v2(13.462,11.811) 14.017,11.256 14.558,11.256 15.676,12.374 15.676,15.422 16.764,16.51 v1(16.764,17.78) 17.399,17.78 20.447,20.828 v1(20.447,21.209)
  Bottom Layer w0.152: v2(13.462,11.811) 13.847,12.196 U5.18 ; U2.5 17.919,22.494 18.315,22.098 19.558,22.098 v1(20.447,21.209) 20.455,21.201 21.97,21.201 U2.12
pads on no net: A1. D1.1 D1.4 J1.0 J1.A5 J1.A8 J1.B5 J1.B8 SW1. TFT1.1 TFT1.2 TFT1.9 U1.4 U3.4 U4.1 U4.2 U4.10 U4.11 U4.12 U4.13 U4.14 U4.15 U4.16 U4.17 U4.18 U4.19 U4.20 U4.21 U4.22 U4.23 U4.27 U5.26 U5.38 U5.44 U5.45 U5.47

## Polygon pours and split planes (outlines as drawn)
GND on Bottom Layer "Bottom Layer-GND" (solid, remove dead copper, pour order 2): -0.168,0.19 -0.168,28.126 33.95,28.126 33.95,0.064
GND on Top Layer "Top Layer-GND" (solid, remove dead copper, pour order 4): -0.063,0.064 -0.063,28.131 34.354,28.131 34.354,-0.063

## Keep-outs
Keep-Out Layer:
  lines w0.254: 6.858,1 cw(c6.93,0.563) 7.366,0.635 ccw(c8.001,0.635) 8.001,0 22.86,0 ccw(c22.86,0.635) 23.495,0.635 cw(c23.932,0.564) 24.003,1 ; 6.985,1 1.143,1 cw(c1.405,2.405) 0,2.667 0,25.654 cw(c1.244,25.755) 1.143,27 6.985,27 ccw(c6.959,27.533) 7.493,27.559 cw(c7.968,27.525) 8.001,28 22.755,28 cw(c22.755,27.365) 23.39,27.365 ccw(c23.826,27.436) 23.898,27 ; 23.771,27 31.369,27 cw(c31.361,24.369) 33.991,24.361 33.991,23.495 33.991,14.351 ; 23.876,1 31.369,1 ccw(c31.395,3.596) 33.991,3.57 33.991,14.351 ; 33.991,14.351 33.991,14.351

## Other copper
Top Layer:
  pour cut-out: 2.667,5.969 2.667,12.065 -0.254,12.065 -0.254,5.969
Bottom Layer:
  pour cut-out: 2.667,5.969 2.667,12.065 -0.254,12.065 -0.254,5.969

## Silkscreen, mask and mechanical layers (free items; w line width, h text height)
Top Overlay:
  text "RX5808" at 8.382,8.382 h5.08
  text "Diversity" at 8.509,5.588 h3.81
  text "Version 1.2" at 8.509,2.794 h2.41
Bottom Solder:
  region: 2.667,12.065 -0.254,12.065 -0.254,5.969 2.667,5.969

## Text inside footprints (layer, text, board x,y; h text height)
J1: Bottom Overlay "USB" at 29.972,20.701 h1.27 r90